# KiCad board Soft_Power_Switch_panelized.kicad_pcb (continued)
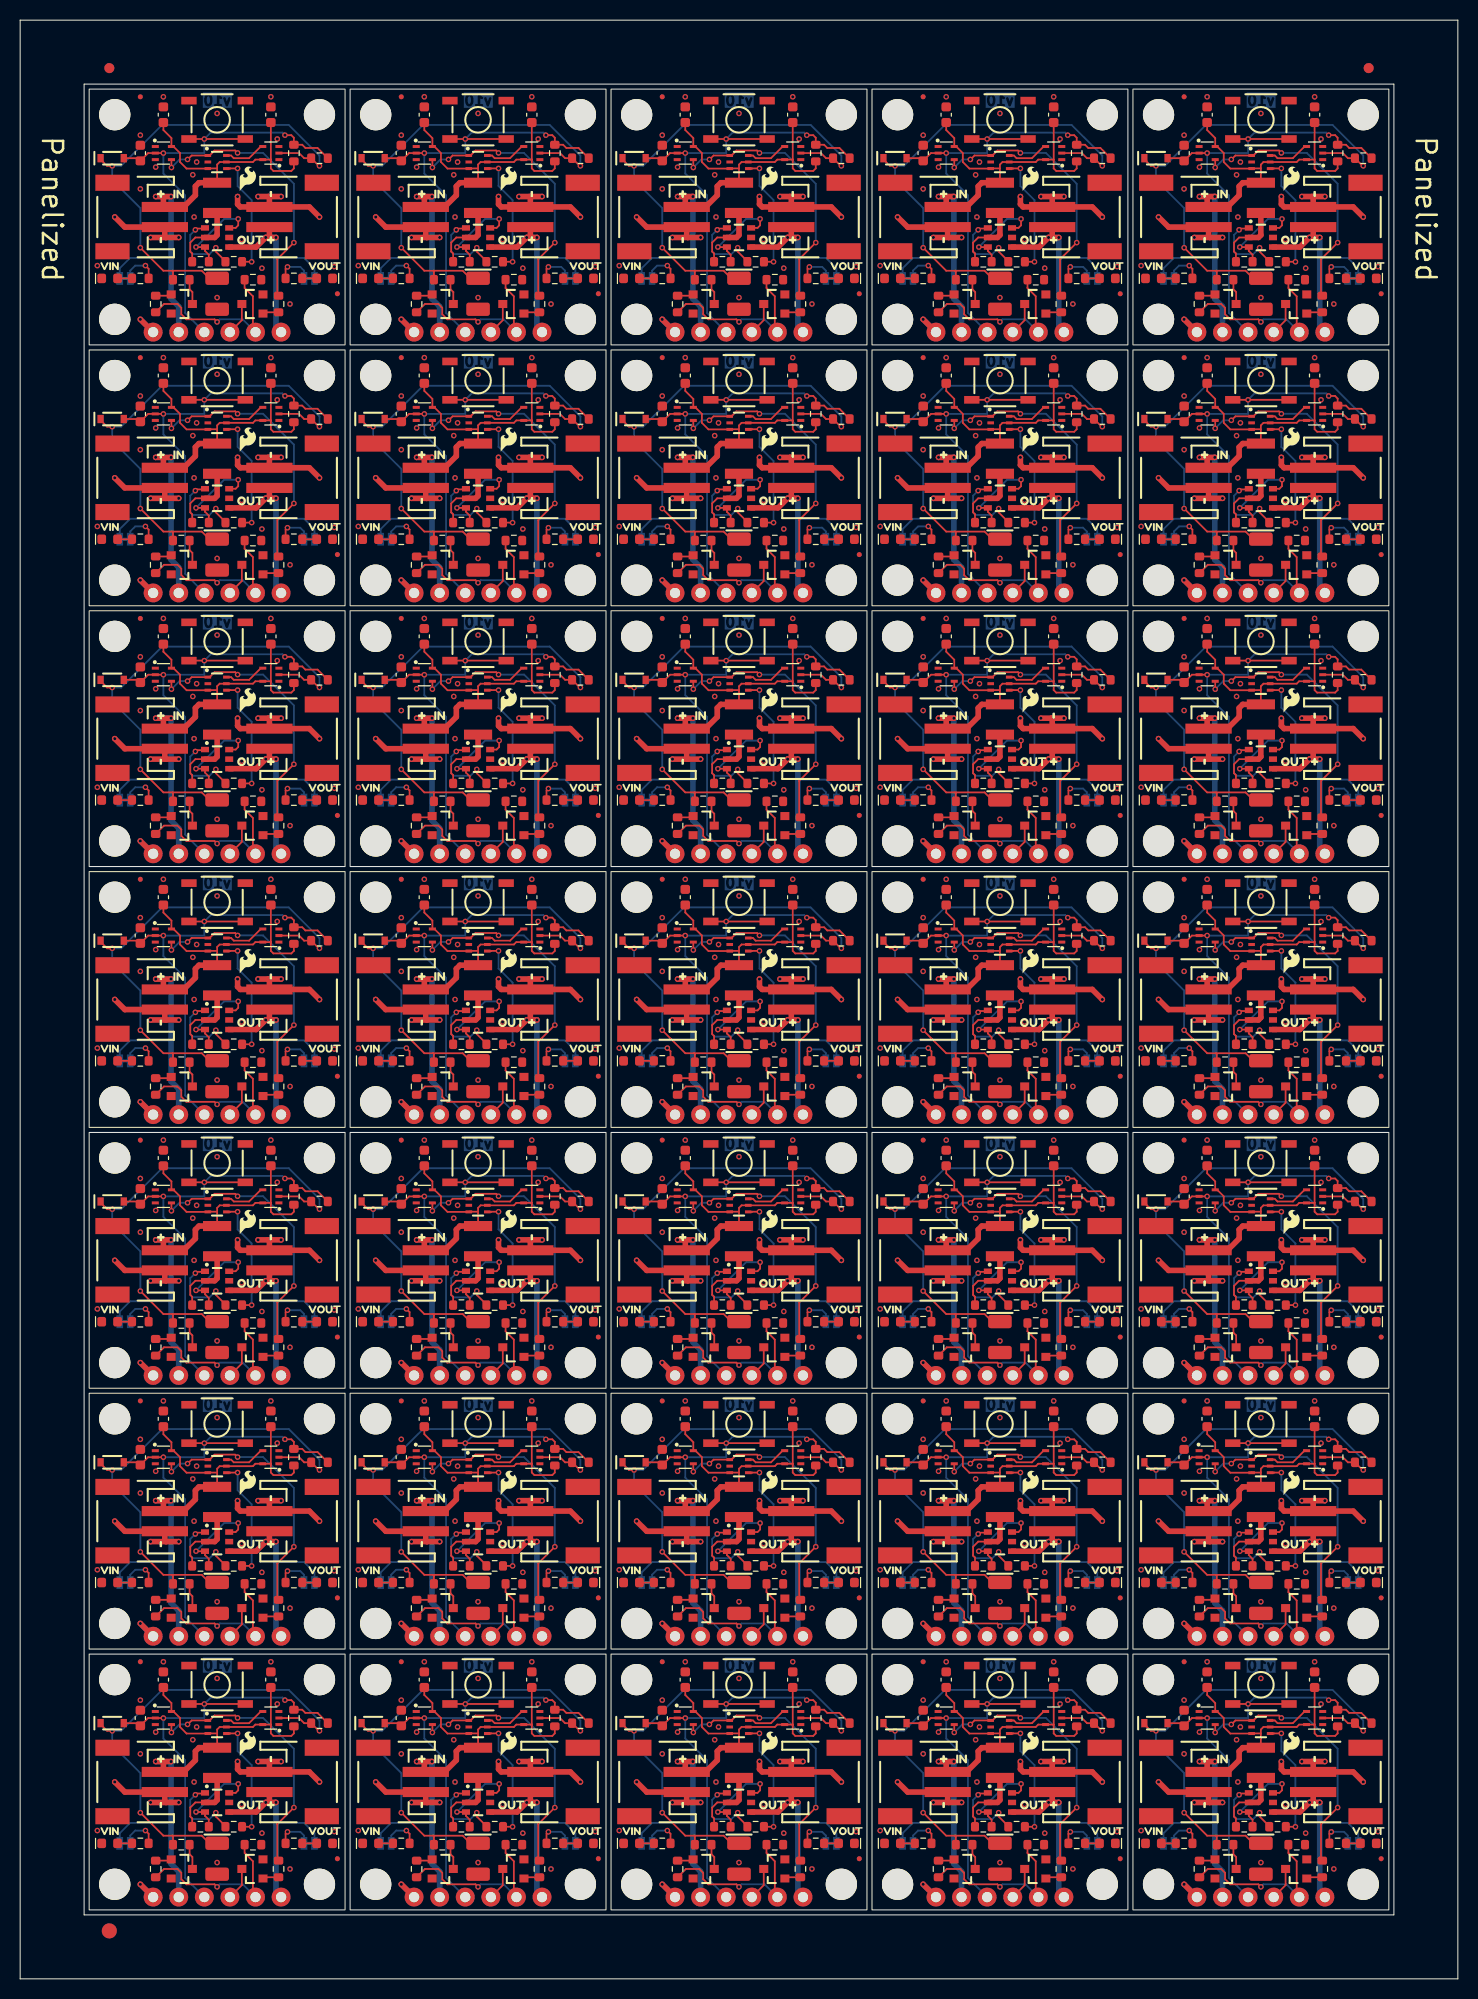
[diagram p0: board, top side]
## Placement (name value [footprint] x y rotation side) (continued)
kibuzzard-65F04FCA#68  G***  [kibuzzard-65F04FCA]  39.86 94.96 90 top
kibuzzard-65F04FCA#69  G***  [kibuzzard-65F04FCA]  76.68 177.24 90 top
kibuzzard-65F04FCA#70  G***  [kibuzzard-65F04FCA]  39.86 172.66 90 top
kibuzzard-65F053F1  G***  [kibuzzard-65F053F1]  45.45 152.86 180 bottom
kibuzzard-65F053F1#2  G***  [kibuzzard-65F053F1]  123.15 49.26 180 bottom
kibuzzard-65F053F1#3  G***  [kibuzzard-65F053F1]  71.35 178.76 180 bottom
kibuzzard-65F053F1#4  G***  [kibuzzard-65F053F1]  45.45 178.76 180 bottom
kibuzzard-65F053F1#5  G***  [kibuzzard-65F053F1]  19.55 23.36 180 bottom
kibuzzard-65F053F1#6  G***  [kibuzzard-65F053F1]  71.35 126.96 180 bottom
kibuzzard-65F053F1#7  G***  [kibuzzard-65F053F1]  97.25 49.26 180 bottom
kibuzzard-65F053F1#8  G***  [kibuzzard-65F053F1]  45.45 75.16 180 bottom
kibuzzard-65F053F1#9  G***  [kibuzzard-65F053F1]  123.15 178.76 180 bottom
kibuzzard-65F053F1#10  G***  [kibuzzard-65F053F1]  97.25 101.06 180 bottom
kibuzzard-65F053F1#11  G***  [kibuzzard-65F053F1]  45.45 49.26 180 bottom
kibuzzard-65F053F1#12  G***  [kibuzzard-65F053F1]  71.35 152.86 180 bottom
kibuzzard-65F053F1#13  G***  [kibuzzard-65F053F1]  97.25 178.76 180 bottom
kibuzzard-65F053F1#14  G***  [kibuzzard-65F053F1]  19.55 178.76 180 bottom
kibuzzard-65F053F1#15  G***  [kibuzzard-65F053F1]  19.55 75.16 180 bottom
kibuzzard-65F053F1#16  G***  [kibuzzard-65F053F1]  97.25 75.16 180 bottom
kibuzzard-65F053F1#17  G***  [kibuzzard-65F053F1]  97.25 152.86 180 bottom
kibuzzard-65F053F1#18  G***  [kibuzzard-65F053F1]  123.15 23.36 180 bottom
kibuzzard-65F053F1#19  G***  [kibuzzard-65F053F1]  97.25 23.36 180 bottom
kibuzzard-65F053F1#20  G***  [kibuzzard-65F053F1]  45.45 126.96 180 bottom
kibuzzard-65F053F1#21  G***  [kibuzzard-65F053F1]  123.15 152.86 180 bottom
kibuzzard-65F053F1#22  G***  [kibuzzard-65F053F1]  19.55 126.96 180 bottom
kibuzzard-65F053F1#23  G***  [kibuzzard-65F053F1]  71.35 101.06 180 bottom
kibuzzard-65F053F1#24  G***  [kibuzzard-65F053F1]  19.55 101.06 180 bottom
kibuzzard-65F053F1#25  G***  [kibuzzard-65F053F1]  123.15 75.16 180 bottom
kibuzzard-65F053F1#26  G***  [kibuzzard-65F053F1]  71.35 49.26 180 bottom
kibuzzard-65F053F1#27  G***  [kibuzzard-65F053F1]  71.35 75.16 180 bottom
kibuzzard-65F053F1#28  G***  [kibuzzard-65F053F1]  19.55 152.86 180 bottom
kibuzzard-65F053F1#29  G***  [kibuzzard-65F053F1]  71.35 23.36 180 bottom
kibuzzard-65F053F1#30  G***  [kibuzzard-65F053F1]  123.15 126.96 180 bottom
kibuzzard-65F053F1#31  G***  [kibuzzard-65F053F1]  123.15 101.06 180 bottom
kibuzzard-65F053F1#32  G***  [kibuzzard-65F053F1]  97.25 126.96 180 bottom
kibuzzard-65F053F1#33  G***  [kibuzzard-65F053F1]  45.45 23.36 180 bottom
kibuzzard-65F053F1#34  G***  [kibuzzard-65F053F1]  19.55 49.26 180 bottom
kibuzzard-65F053F1#35  G***  [kibuzzard-65F053F1]  45.45 101.06 180 bottom
kibuzzard-65F054C3  G***  [kibuzzard-65F054C3]  132.29 118.7 180 bottom
kibuzzard-65F054C3#2  G***  [kibuzzard-65F054C3]  114.01 170.5 180 bottom
kibuzzard-65F054C3#3  G***  [kibuzzard-65F054C3]  62.21 41 180 bottom
kibuzzard-65F054C3#4  G***  [kibuzzard-65F054C3]  10.41 170.5 180 bottom
kibuzzard-65F054C3#5  G***  [kibuzzard-65F054C3]  54.59 66.91 180 bottom
kibuzzard-65F054C3#6  G***  [kibuzzard-65F054C3]  36.31 41 180 bottom
kibuzzard-65F054C3#7  G***  [kibuzzard-65F054C3]  88.11 41 180 bottom
kibuzzard-65F054C3#8  G***  [kibuzzard-65F054C3]  80.49 92.81 180 bottom
kibuzzard-65F054C3#9  G***  [kibuzzard-65F054C3]  54.59 118.7 180 bottom
kibuzzard-65F054C3#10  G***  [kibuzzard-65F054C3]  62.21 92.81 180 bottom
kibuzzard-65F054C3#11  G***  [kibuzzard-65F054C3]  132.29 41 180 bottom
kibuzzard-65F054C3#12  G***  [kibuzzard-65F054C3]  132.29 144.6 180 bottom
kibuzzard-65F054C3#13  G***  [kibuzzard-65F054C3]  36.31 144.6 180 bottom
kibuzzard-65F054C3#14  G***  [kibuzzard-65F054C3]  114.01 92.81 180 bottom
kibuzzard-65F054C3#15  G***  [kibuzzard-65F054C3]  88.11 15.11 180 bottom
kibuzzard-65F054C3#16  G***  [kibuzzard-65F054C3]  36.31 15.11 180 bottom
kibuzzard-65F054C3#17  G***  [kibuzzard-65F054C3]  10.41 66.91 180 bottom
kibuzzard-65F054C3#18  G***  [kibuzzard-65F054C3]  106.39 15.11 180 bottom
kibuzzard-65F054C3#19  G***  [kibuzzard-65F054C3]  28.69 15.11 180 bottom
kibuzzard-65F054C3#20  G***  [kibuzzard-65F054C3]  114.01 41 180 bottom
kibuzzard-65F054C3#21  G***  [kibuzzard-65F054C3]  106.39 66.91 180 bottom
kibuzzard-65F054C3#22  G***  [kibuzzard-65F054C3]  88.11 144.6 180 bottom
kibuzzard-65F054C3#23  G***  [kibuzzard-65F054C3]  62.21 144.6 180 bottom
kibuzzard-65F054C3#24  G***  [kibuzzard-65F054C3]  132.29 66.91 180 bottom
kibuzzard-65F054C3#25  G***  [kibuzzard-65F054C3]  88.11 170.5 180 bottom
kibuzzard-65F054C3#26  G***  [kibuzzard-65F054C3]  10.41 144.6 180 bottom
kibuzzard-65F054C3#27  G***  [kibuzzard-65F054C3]  62.21 118.7 180 bottom
kibuzzard-65F054C3#28  G***  [kibuzzard-65F054C3]  106.39 144.6 180 bottom
kibuzzard-65F054C3#29  G***  [kibuzzard-65F054C3]  88.11 66.91 180 bottom
kibuzzard-65F054C3#30  G***  [kibuzzard-65F054C3]  36.31 92.81 180 bottom
kibuzzard-65F054C3#31  G***  [kibuzzard-65F054C3]  28.69 118.7 180 bottom
kibuzzard-65F054C3#32  G***  [kibuzzard-65F054C3]  114.01 118.7 180 bottom
kibuzzard-65F054C3#33  G***  [kibuzzard-65F054C3]  28.69 41 180 bottom
kibuzzard-65F054C3#34  G***  [kibuzzard-65F054C3]  54.59 92.81 180 bottom
kibuzzard-65F054C3#35  G***  [kibuzzard-65F054C3]  80.49 41 180 bottom
kibuzzard-65F054C3#36  G***  [kibuzzard-65F054C3]  114.01 15.11 180 bottom
kibuzzard-65F054C3#37  G***  [kibuzzard-65F054C3]  36.31 170.5 180 bottom
kibuzzard-65F054C3#38  G***  [kibuzzard-65F054C3]  88.11 118.7 180 bottom
kibuzzard-65F054C3#39  G***  [kibuzzard-65F054C3]  80.49 15.11 180 bottom
kibuzzard-65F054C3#40  G***  [kibuzzard-65F054C3]  28.69 66.91 180 bottom
kibuzzard-65F054C3#41  G***  [kibuzzard-65F054C3]  106.39 170.5 180 bottom
kibuzzard-65F054C3#42  G***  [kibuzzard-65F054C3]  36.31 66.91 180 bottom
kibuzzard-65F054C3#43  G***  [kibuzzard-65F054C3]  54.59 144.6 180 bottom
kibuzzard-65F054C3#44  G***  [kibuzzard-65F054C3]  54.59 41 180 bottom
kibuzzard-65F054C3#45  G***  [kibuzzard-65F054C3]  54.59 170.5 180 bottom
kibuzzard-65F054C3#46  G***  [kibuzzard-65F054C3]  10.41 118.7 180 bottom
kibuzzard-65F054C3#47  G***  [kibuzzard-65F054C3]  88.11 92.81 180 bottom
kibuzzard-65F054C3#48  G***  [kibuzzard-65F054C3]  80.49 66.91 180 bottom
kibuzzard-65F054C3#49  G***  [kibuzzard-65F054C3]  106.39 118.7 180 bottom
kibuzzard-65F054C3#50  G***  [kibuzzard-65F054C3]  28.69 144.6 180 bottom
kibuzzard-65F054C3#51  G***  [kibuzzard-65F054C3]  62.21 170.5 180 bottom
kibuzzard-65F054C3#52  G***  [kibuzzard-65F054C3]  132.29 170.5 180 bottom
kibuzzard-65F054C3#53  G***  [kibuzzard-65F054C3]  62.21 15.11 180 bottom
kibuzzard-65F054C3#54  G***  [kibuzzard-65F054C3]  114.01 144.6 180 bottom
kibuzzard-65F054C3#55  G***  [kibuzzard-65F054C3]  28.69 92.81 180 bottom
kibuzzard-65F054C3#56  G***  [kibuzzard-65F054C3]  106.39 41 180 bottom
kibuzzard-65F054C3#57  G***  [kibuzzard-65F054C3]  36.31 118.7 180 bottom
kibuzzard-65F054C3#58  G***  [kibuzzard-65F054C3]  80.49 118.7 180 bottom
kibuzzard-65F054C3#59  G***  [kibuzzard-65F054C3]  54.59 15.11 180 bottom
kibuzzard-65F054C3#60  G***  [kibuzzard-65F054C3]  10.41 41 180 bottom
kibuzzard-65F054C3#61  G***  [kibuzzard-65F054C3]  132.29 92.81 180 bottom
kibuzzard-65F054C3#62  G***  [kibuzzard-65F054C3]  10.41 92.81 180 bottom
kibuzzard-65F054C3#63  G***  [kibuzzard-65F054C3]  132.29 15.11 180 bottom
kibuzzard-65F054C3#64  G***  [kibuzzard-65F054C3]  80.49 144.6 180 bottom
kibuzzard-65F054C3#65  G***  [kibuzzard-65F054C3]  114.01 66.91 180 bottom
kibuzzard-65F054C3#66  G***  [kibuzzard-65F054C3]  106.39 92.81 180 bottom
kibuzzard-65F054C3#67  G***  [kibuzzard-65F054C3]  80.49 170.5 180 bottom
kibuzzard-65F054C3#68  G***  [kibuzzard-65F054C3]  10.41 15.11 180 bottom
kibuzzard-65F054C3#69  G***  [kibuzzard-65F054C3]  28.69 170.5 180 bottom
kibuzzard-65F054C3#70  G***  [kibuzzard-65F054C3]  62.21 66.91 180 bottom
kibuzzard-65F056B4  G***  [kibuzzard-65F056B4]  46.72 37.2 90 bottom
kibuzzard-65F056B4#2  G***  [kibuzzard-65F056B4]  72.62 166.69 90 bottom
kibuzzard-65F056B4#3  G***  [kibuzzard-65F056B4]  98.52 166.69 90 bottom
kibuzzard-65F056B4#4  G***  [kibuzzard-65F056B4]  124.42 140.8 90 bottom
kibuzzard-65F056B4#5  G***  [kibuzzard-65F056B4]  46.72 140.8 90 bottom
kibuzzard-65F056B4#6  G***  [kibuzzard-65F056B4]  20.82 140.8 90 bottom
kibuzzard-65F056B4#7  G***  [kibuzzard-65F056B4]  72.62 140.8 90 bottom
kibuzzard-65F056B4#8  G***  [kibuzzard-65F056B4]  46.72 166.69 90 bottom
kibuzzard-65F056B4#9  G***  [kibuzzard-65F056B4]  46.72 11.3 90 bottom
kibuzzard-65F056B4#10  G***  [kibuzzard-65F056B4]  72.62 63.09 90 bottom
kibuzzard-65F056B4#11  G***  [kibuzzard-65F056B4]  46.72 114.9 90 bottom
kibuzzard-65F056B4#12  G***  [kibuzzard-65F056B4]  20.82 37.2 90 bottom
kibuzzard-65F056B4#13  G***  [kibuzzard-65F056B4]  20.82 63.09 90 bottom
kibuzzard-65F056B4#14  G***  [kibuzzard-65F056B4]  124.42 63.09 90 bottom
kibuzzard-65F056B4#15  G***  [kibuzzard-65F056B4]  124.42 37.2 90 bottom
kibuzzard-65F056B4#16  G***  [kibuzzard-65F056B4]  20.82 114.9 90 bottom
kibuzzard-65F056B4#17  G***  [kibuzzard-65F056B4]  98.52 37.2 90 bottom
kibuzzard-65F056B4#18  G***  [kibuzzard-65F056B4]  98.52 63.09 90 bottom
kibuzzard-65F056B4#19  G***  [kibuzzard-65F056B4]  98.52 114.9 90 bottom
kibuzzard-65F056B4#20  G***  [kibuzzard-65F056B4]  124.42 89 90 bottom
kibuzzard-65F056B4#21  G***  [kibuzzard-65F056B4]  72.62 114.9 90 bottom
kibuzzard-65F056B4#22  G***  [kibuzzard-65F056B4]  20.82 166.69 90 bottom
kibuzzard-65F056B4#23  G***  [kibuzzard-65F056B4]  98.52 140.8 90 bottom
kibuzzard-65F056B4#24  G***  [kibuzzard-65F056B4]  124.42 114.9 90 bottom
kibuzzard-65F056B4#25  G***  [kibuzzard-65F056B4]  72.62 11.3 90 bottom
kibuzzard-65F056B4#26  G***  [kibuzzard-65F056B4]  124.42 11.3 90 bottom
kibuzzard-65F056B4#27  G***  [kibuzzard-65F056B4]  46.72 89 90 bottom
kibuzzard-65F056B4#28  G***  [kibuzzard-65F056B4]  72.62 37.2 90 bottom
kibuzzard-65F056B4#29  G***  [kibuzzard-65F056B4]  124.42 166.69 90 bottom
kibuzzard-65F056B4#30  G***  [kibuzzard-65F056B4]  46.72 63.09 90 bottom
kibuzzard-65F056B4#31  G***  [kibuzzard-65F056B4]  98.52 11.3 90 bottom
kibuzzard-65F056B4#32  G***  [kibuzzard-65F056B4]  20.82 89 90 bottom
kibuzzard-65F056B4#33  G***  [kibuzzard-65F056B4]  98.52 89 90 bottom
kibuzzard-65F056B4#34  G***  [kibuzzard-65F056B4]  20.82 11.3 90 bottom
kibuzzard-65F056B4#35  G***  [kibuzzard-65F056B4]  72.62 89 90 bottom
kibuzzard-65F056D8  G***  [kibuzzard-65F056D8]  49.26 166.31 90 bottom
kibuzzard-65F056D8#2  G***  [kibuzzard-65F056D8]  101.06 140.41 90 bottom
kibuzzard-65F056D8#3  G***  [kibuzzard-65F056D8]  75.16 36.81 90 bottom
kibuzzard-65F056D8#4  G***  [kibuzzard-65F056D8]  75.16 140.41 90 bottom
kibuzzard-65F056D8#5  G***  [kibuzzard-65F056D8]  49.26 10.91 90 bottom
kibuzzard-65F056D8#6  G***  [kibuzzard-65F056D8]  101.06 88.61 90 bottom
kibuzzard-65F056D8#7  G***  [kibuzzard-65F056D8]  126.96 114.51 90 bottom
kibuzzard-65F056D8#8  G***  [kibuzzard-65F056D8]  126.96 88.61 90 bottom
kibuzzard-65F056D8#9  G***  [kibuzzard-65F056D8]  23.36 114.51 90 bottom
kibuzzard-65F056D8#10  G***  [kibuzzard-65F056D8]  126.96 36.81 90 bottom
kibuzzard-65F056D8#11  G***  [kibuzzard-65F056D8]  23.36 166.31 90 bottom
kibuzzard-65F056D8#12  G***  [kibuzzard-65F056D8]  126.96 166.31 90 bottom
kibuzzard-65F056D8#13  G***  [kibuzzard-65F056D8]  126.96 140.41 90 bottom
kibuzzard-65F056D8#14  G***  [kibuzzard-65F056D8]  49.26 88.61 90 bottom
kibuzzard-65F056D8#15  G***  [kibuzzard-65F056D8]  101.06 62.71 90 bottom
kibuzzard-65F056D8#16  G***  [kibuzzard-65F056D8]  101.06 114.51 90 bottom
kibuzzard-65F056D8#17  G***  [kibuzzard-65F056D8]  49.26 62.71 90 bottom
kibuzzard-65F056D8#18  G***  [kibuzzard-65F056D8]  23.36 10.91 90 bottom
kibuzzard-65F056D8#19  G***  [kibuzzard-65F056D8]  49.26 114.51 90 bottom
kibuzzard-65F056D8#20  G***  [kibuzzard-65F056D8]  49.26 140.41 90 bottom
kibuzzard-65F056D8#21  G***  [kibuzzard-65F056D8]  101.06 166.31 90 bottom
kibuzzard-65F056D8#22  G***  [kibuzzard-65F056D8]  75.16 10.91 90 bottom
kibuzzard-65F056D8#23  G***  [kibuzzard-65F056D8]  101.06 36.81 90 bottom
kibuzzard-65F056D8#24  G***  [kibuzzard-65F056D8]  23.36 88.61 90 bottom
kibuzzard-65F056D8#25  G***  [kibuzzard-65F056D8]  23.36 140.41 90 bottom
kibuzzard-65F056D8#26  G***  [kibuzzard-65F056D8]  75.16 114.51 90 bottom
kibuzzard-65F056D8#27  G***  [kibuzzard-65F056D8]  75.16 62.71 90 bottom
kibuzzard-65F056D8#28  G***  [kibuzzard-65F056D8]  126.96 10.91 90 bottom
kibuzzard-65F056D8#29  G***  [kibuzzard-65F056D8]  75.16 88.61 90 bottom
kibuzzard-65F056D8#30  G***  [kibuzzard-65F056D8]  75.16 166.31 90 bottom
kibuzzard-65F056D8#31  G***  [kibuzzard-65F056D8]  23.36 36.81 90 bottom
kibuzzard-65F056D8#32  G***  [kibuzzard-65F056D8]  101.06 10.91 90 bottom
kibuzzard-65F056D8#33  G***  [kibuzzard-65F056D8]  126.96 62.71 90 bottom
kibuzzard-65F056D8#34  G***  [kibuzzard-65F056D8]  23.36 62.71 90 bottom
kibuzzard-65F056D8#35  G***  [kibuzzard-65F056D8]  49.26 36.81 90 bottom
kibuzzard-65F056F7  G***  [kibuzzard-65F056F7]  129.5 115.15 90 bottom
kibuzzard-65F056F7#2  G***  [kibuzzard-65F056F7]  103.6 166.95 90 bottom
kibuzzard-65F056F7#3  G***  [kibuzzard-65F056F7]  129.5 166.95 90 bottom
kibuzzard-65F056F7#4  G***  [kibuzzard-65F056F7]  25.9 166.95 90 bottom
kibuzzard-65F056F7#5  G***  [kibuzzard-65F056F7]  51.8 63.35 90 bottom
kibuzzard-65F056F7#6  G***  [kibuzzard-65F056F7]  51.8 166.95 90 bottom
kibuzzard-65F056F7#7  G***  [kibuzzard-65F056F7]  25.9 11.55 90 bottom
kibuzzard-65F056F7#8  G***  [kibuzzard-65F056F7]  51.8 115.15 90 bottom
kibuzzard-65F056F7#9  G***  [kibuzzard-65F056F7]  103.6 115.15 90 bottom
kibuzzard-65F056F7#10  G***  [kibuzzard-65F056F7]  103.6 11.55 90 bottom
kibuzzard-65F056F7#11  G***  [kibuzzard-65F056F7]  77.7 63.35 90 bottom
kibuzzard-65F056F7#12  G***  [kibuzzard-65F056F7]  129.5 11.55 90 bottom
kibuzzard-65F056F7#13  G***  [kibuzzard-65F056F7]  25.9 141.05 90 bottom
kibuzzard-65F056F7#14  G***  [kibuzzard-65F056F7]  103.6 141.05 90 bottom
kibuzzard-65F056F7#15  G***  [kibuzzard-65F056F7]  77.7 37.45 90 bottom
kibuzzard-65F056F7#16  G***  [kibuzzard-65F056F7]  77.7 89.25 90 bottom
kibuzzard-65F056F7#17  G***  [kibuzzard-65F056F7]  51.8 11.55 90 bottom
kibuzzard-65F056F7#18  G***  [kibuzzard-65F056F7]  51.8 37.45 90 bottom
kibuzzard-65F056F7#19  G***  [kibuzzard-65F056F7]  51.8 141.05 90 bottom
kibuzzard-65F056F7#20  G***  [kibuzzard-65F056F7]  129.5 141.05 90 bottom
kibuzzard-65F056F7#21  G***  [kibuzzard-65F056F7]  103.6 63.35 90 bottom
kibuzzard-65F056F7#22  G***  [kibuzzard-65F056F7]  77.7 11.55 90 bottom
kibuzzard-65F056F7#23  G***  [kibuzzard-65F056F7]  129.5 63.35 90 bottom
kibuzzard-65F056F7#24  G***  [kibuzzard-65F056F7]  25.9 115.15 90 bottom
kibuzzard-65F056F7#25  G***  [kibuzzard-65F056F7]  25.9 63.35 90 bottom
kibuzzard-65F056F7#26  G***  [kibuzzard-65F056F7]  129.5 89.25 90 bottom
kibuzzard-65F056F7#27  G***  [kibuzzard-65F056F7]  25.9 89.25 90 bottom
kibuzzard-65F056F7#28  G***  [kibuzzard-65F056F7]  77.7 141.05 90 bottom
kibuzzard-65F056F7#29  G***  [kibuzzard-65F056F7]  129.5 37.45 90 bottom
kibuzzard-65F056F7#30  G***  [kibuzzard-65F056F7]  103.6 37.45 90 bottom
kibuzzard-65F056F7#31  G***  [kibuzzard-65F056F7]  103.6 89.25 90 bottom
kibuzzard-65F056F7#32  G***  [kibuzzard-65F056F7]  25.9 37.45 90 bottom
kibuzzard-65F056F7#33  G***  [kibuzzard-65F056F7]  51.8 89.25 90 bottom
kibuzzard-65F056F7#34  G***  [kibuzzard-65F056F7]  77.7 115.15 90 bottom
kibuzzard-65F056F7#35  G***  [kibuzzard-65F056F7]  77.7 166.95 90 bottom
kibuzzard-65F174FD  G***  [kibuzzard-65F174FD]  126.45 69.06 0 top
kibuzzard-65F174FD#2  G***  [kibuzzard-65F174FD]  48.75 43.16 0 top
kibuzzard-65F174FD#3  G***  [kibuzzard-65F174FD]  100.55 17.26 0 top
kibuzzard-65F174FD#4  G***  [kibuzzard-65F174FD]  100.55 146.76 0 top
kibuzzard-65F174FD#5  G***  [kibuzzard-65F174FD]  100.55 94.96 0 top
kibuzzard-65F174FD#6  G***  [kibuzzard-65F174FD]  48.75 69.06 0 top
kibuzzard-65F174FD#7  G***  [kibuzzard-65F174FD]  74.65 120.86 0 top
kibuzzard-65F174FD#8  G***  [kibuzzard-65F174FD]  74.65 172.66 0 top
kibuzzard-65F174FD#9  G***  [kibuzzard-65F174FD]  48.75 146.76 0 top
kibuzzard-65F174FD#10  G***  [kibuzzard-65F174FD]  48.75 17.26 0 top
kibuzzard-65F174FD#11  G***  [kibuzzard-65F174FD]  22.85 172.66 0 top
kibuzzard-65F174FD#12  G***  [kibuzzard-65F174FD]  126.45 94.96 0 top
kibuzzard-65F174FD#13  G***  [kibuzzard-65F174FD]  22.85 43.16 0 top
kibuzzard-65F174FD#14  G***  [kibuzzard-65F174FD]  22.85 69.06 0 top
kibuzzard-65F174FD#15  G***  [kibuzzard-65F174FD]  100.55 69.06 0 top
kibuzzard-65F174FD#16  G***  [kibuzzard-65F174FD]  48.75 172.66 0 top
kibuzzard-65F174FD#17  G***  [kibuzzard-65F174FD]  126.45 120.86 0 top
kibuzzard-65F174FD#18  G***  [kibuzzard-65F174FD]  22.85 120.86 0 top
kibuzzard-65F174FD#19  G***  [kibuzzard-65F174FD]  74.65 146.76 0 top
kibuzzard-65F174FD#20  G***  [kibuzzard-65F174FD]  48.75 120.86 0 top
kibuzzard-65F174FD#21  G***  [kibuzzard-65F174FD]  126.45 172.66 0 top
kibuzzard-65F174FD#22  G***  [kibuzzard-65F174FD]  100.55 43.16 0 top
kibuzzard-65F174FD#23  G***  [kibuzzard-65F174FD]  126.45 17.26 0 top
kibuzzard-65F174FD#24  G***  [kibuzzard-65F174FD]  74.65 69.06 0 top
kibuzzard-65F174FD#25  G***  [kibuzzard-65F174FD]  74.65 94.96 0 top
kibuzzard-65F174FD#26  G***  [kibuzzard-65F174FD]  100.55 172.66 0 top
kibuzzard-65F174FD#27  G***  [kibuzzard-65F174FD]  22.85 146.76 0 top
kibuzzard-65F174FD#28  G***  [kibuzzard-65F174FD]  126.45 146.76 0 top
kibuzzard-65F174FD#29  G***  [kibuzzard-65F174FD]  22.85 94.96 0 top
kibuzzard-65F174FD#30  G***  [kibuzzard-65F174FD]  74.65 43.16 0 top
kibuzzard-65F174FD#31  G***  [kibuzzard-65F174FD]  126.45 43.16 0 top
kibuzzard-65F174FD#32  G***  [kibuzzard-65F174FD]  48.75 94.96 0 top
kibuzzard-65F174FD#33  G***  [kibuzzard-65F174FD]  74.65 17.26 0 top
kibuzzard-65F174FD#34  G***  [kibuzzard-65F174FD]  22.85 17.26 0 top
kibuzzard-65F174FD#35  G***  [kibuzzard-65F174FD]  100.55 120.86 0 top
kibuzzard-65F0543A  G***  [kibuzzard-65F0543A]  19.55 70.33 180 bottom
kibuzzard-65F0543A#2  G***  [kibuzzard-65F0543A]  97.25 44.43 180 bottom
kibuzzard-65F0543A#3  G***  [kibuzzard-65F0543A]  45.45 96.23 180 bottom
kibuzzard-65F0543A#4  G***  [kibuzzard-65F0543A]  19.55 44.43 180 bottom
kibuzzard-65F0543A#5  G***  [kibuzzard-65F0543A]  123.15 18.53 180 bottom
kibuzzard-65F0543A#6  G***  [kibuzzard-65F0543A]  71.35 70.33 180 bottom
kibuzzard-65F0543A#7  G***  [kibuzzard-65F0543A]  123.15 173.93 180 bottom
kibuzzard-65F0543A#8  G***  [kibuzzard-65F0543A]  19.55 173.93 180 bottom
kibuzzard-65F0543A#9  G***  [kibuzzard-65F0543A]  97.25 70.33 180 bottom
kibuzzard-65F0543A#10  G***  [kibuzzard-65F0543A]  123.15 70.33 180 bottom
kibuzzard-65F0543A#11  G***  [kibuzzard-65F0543A]  97.25 18.53 180 bottom
kibuzzard-65F0543A#12  G***  [kibuzzard-65F0543A]  97.25 122.13 180 bottom
kibuzzard-65F0543A#13  G***  [kibuzzard-65F0543A]  45.45 44.43 180 bottom
kibuzzard-65F0543A#14  G***  [kibuzzard-65F0543A]  123.15 44.43 180 bottom
kibuzzard-65F0543A#15  G***  [kibuzzard-65F0543A]  71.35 148.03 180 bottom
kibuzzard-65F0543A#16  G***  [kibuzzard-65F0543A]  71.35 173.93 180 bottom
kibuzzard-65F0543A#17  G***  [kibuzzard-65F0543A]  19.55 96.23 180 bottom
kibuzzard-65F0543A#18  G***  [kibuzzard-65F0543A]  45.45 148.03 180 bottom
kibuzzard-65F0543A#19  G***  [kibuzzard-65F0543A]  97.25 148.03 180 bottom
kibuzzard-65F0543A#20  G***  [kibuzzard-65F0543A]  123.15 122.13 180 bottom
kibuzzard-65F0543A#21  G***  [kibuzzard-65F0543A]  45.45 18.53 180 bottom
kibuzzard-65F0543A#22  G***  [kibuzzard-65F0543A]  71.35 96.23 180 bottom
kibuzzard-65F0543A#23  G***  [kibuzzard-65F0543A]  123.15 96.23 180 bottom
kibuzzard-65F0543A#24  G***  [kibuzzard-65F0543A]  97.25 173.93 180 bottom
kibuzzard-65F0543A#25  G***  [kibuzzard-65F0543A]  45.45 70.33 180 bottom
kibuzzard-65F0543A#26  G***  [kibuzzard-65F0543A]  123.15 148.03 180 bottom
kibuzzard-65F0543A#27  G***  [kibuzzard-65F0543A]  45.45 173.93 180 bottom
kibuzzard-65F0543A#28  G***  [kibuzzard-65F0543A]  19.55 122.13 180 bottom
kibuzzard-65F0543A#29  G***  [kibuzzard-65F0543A]  45.45 122.13 180 bottom
kibuzzard-65F0543A#30  G***  [kibuzzard-65F0543A]  71.35 18.53 180 bottom
kibuzzard-65F0543A#31  G***  [kibuzzard-65F0543A]  71.35 44.43 180 bottom
kibuzzard-65F0543A#32  G***  [kibuzzard-65F0543A]  19.55 18.53 180 bottom
kibuzzard-65F0543A#33  G***  [kibuzzard-65F0543A]  71.35 122.13 180 bottom
kibuzzard-65F0543A#34  G***  [kibuzzard-65F0543A]  19.55 148.03 180 bottom
kibuzzard-65F0543A#35  G***  [kibuzzard-65F0543A]  97.25 96.23 180 bottom
kibuzzard-65F0634B  G***  [kibuzzard-65F0634B]  60.68 118.27 0 top
kibuzzard-65F0634B#2  G***  [kibuzzard-65F0634B]  60.68 170.07 0 top
kibuzzard-65F0634B#3  G***  [kibuzzard-65F0634B]  86.58 170.07 0 top
kibuzzard-65F0634B#4  G***  [kibuzzard-65F0634B]  86.58 144.17 0 top
kibuzzard-65F0634B#5  G***  [kibuzzard-65F0634B]  86.58 118.27 0 top
kibuzzard-65F0634B#6  G***  [kibuzzard-65F0634B]  112.48 118.27 0 top
kibuzzard-65F0634B#7  G***  [kibuzzard-65F0634B]  86.58 14.67 0 top
kibuzzard-65F0634B#8  G***  [kibuzzard-65F0634B]  34.78 14.67 0 top
kibuzzard-65F0634B#9  G***  [kibuzzard-65F0634B]  60.68 144.17 0 top
kibuzzard-65F0634B#10  G***  [kibuzzard-65F0634B]  34.78 118.27 0 top
kibuzzard-65F0634B#11  G***  [kibuzzard-65F0634B]  60.68 92.37 0 top
kibuzzard-65F0634B#12  G***  [kibuzzard-65F0634B]  8.88 40.57 0 top
kibuzzard-65F0634B#13  G***  [kibuzzard-65F0634B]  60.68 14.67 0 top
kibuzzard-65F0634B#14  G***  [kibuzzard-65F0634B]  34.78 170.07 0 top
kibuzzard-65F0634B#15  G***  [kibuzzard-65F0634B]  34.78 40.57 0 top
kibuzzard-65F0634B#16  G***  [kibuzzard-65F0634B]  112.48 14.67 0 top
kibuzzard-65F0634B#17  G***  [kibuzzard-65F0634B]  8.88 66.47 0 top
kibuzzard-65F0634B#18  G***  [kibuzzard-65F0634B]  60.68 40.57 0 top
kibuzzard-65F0634B#19  G***  [kibuzzard-65F0634B]  60.68 66.47 0 top
kibuzzard-65F0634B#20  G***  [kibuzzard-65F0634B]  86.58 92.37 0 top
kibuzzard-65F0634B#21  G***  [kibuzzard-65F0634B]  8.88 118.27 0 top
kibuzzard-65F0634B#22  G***  [kibuzzard-65F0634B]  112.48 40.57 0 top
kibuzzard-65F0634B#23  G***  [kibuzzard-65F0634B]  8.88 170.07 0 top
kibuzzard-65F0634B#24  G***  [kibuzzard-65F0634B]  112.48 66.47 0 top
kibuzzard-65F0634B#25  G***  [kibuzzard-65F0634B]  112.48 92.37 0 top
kibuzzard-65F0634B#26  G***  [kibuzzard-65F0634B]  34.78 66.47 0 top
kibuzzard-65F0634B#27  G***  [kibuzzard-65F0634B]  34.78 144.17 0 top
kibuzzard-65F0634B#28  G***  [kibuzzard-65F0634B]  8.88 14.67 0 top
kibuzzard-65F0634B#29  G***  [kibuzzard-65F0634B]  112.48 144.17 0 top
kibuzzard-65F0634B#30  G***  [kibuzzard-65F0634B]  8.88 144.17 0 top
kibuzzard-65F0634B#31  G***  [kibuzzard-65F0634B]  34.78 92.37 0 top
kibuzzard-65F0634B#32  G***  [kibuzzard-65F0634B]  112.48 170.07 0 top
kibuzzard-65F0634B#33  G***  [kibuzzard-65F0634B]  86.58 66.47 0 top
kibuzzard-65F0634B#34  G***  [kibuzzard-65F0634B]  86.58 40.57 0 top
kibuzzard-65F0634B#35  G***  [kibuzzard-65F0634B]  8.88 92.37 0 top
kibuzzard-65F0636B  G***  [kibuzzard-65F0636B]  56.12 144.17 0 top
kibuzzard-65F0636B#2  G***  [kibuzzard-65F0636B]  82.02 66.47 0 top
kibuzzard-65F0636B#3  G***  [kibuzzard-65F0636B]  82.02 170.07 0 top
kibuzzard-65F0636B#4  G***  [kibuzzard-65F0636B]  133.82 40.57 0 top
kibuzzard-65F0636B#5  G***  [kibuzzard-65F0636B]  30.22 170.07 0 top
kibuzzard-65F0636B#6  G***  [kibuzzard-65F0636B]  30.22 92.37 0 top
kibuzzard-65F0636B#7  G***  [kibuzzard-65F0636B]  56.12 14.67 0 top
kibuzzard-65F0636B#8  G***  [kibuzzard-65F0636B]  107.92 144.17 0 top
kibuzzard-65F0636B#9  G***  [kibuzzard-65F0636B]  30.22 118.27 0 top
kibuzzard-65F0636B#10  G***  [kibuzzard-65F0636B]  107.92 14.67 0 top
kibuzzard-65F0636B#11  G***  [kibuzzard-65F0636B]  56.12 92.37 0 top
kibuzzard-65F0636B#12  G***  [kibuzzard-65F0636B]  30.22 144.17 0 top
kibuzzard-65F0636B#13  G***  [kibuzzard-65F0636B]  56.12 170.07 0 top
kibuzzard-65F0636B#14  G***  [kibuzzard-65F0636B]  133.82 118.27 0 top
kibuzzard-65F0636B#15  G***  [kibuzzard-65F0636B]  107.92 66.47 0 top
kibuzzard-65F0636B#16  G***  [kibuzzard-65F0636B]  56.12 40.57 0 top
kibuzzard-65F0636B#17  G***  [kibuzzard-65F0636B]  82.02 40.57 0 top
kibuzzard-65F0636B#18  G***  [kibuzzard-65F0636B]  107.92 92.37 0 top
kibuzzard-65F0636B#19  G***  [kibuzzard-65F0636B]  82.02 92.37 0 top
kibuzzard-65F0636B#20  G***  [kibuzzard-65F0636B]  30.22 66.47 0 top
kibuzzard-65F0636B#21  G***  [kibuzzard-65F0636B]  107.92 40.57 0 top
kibuzzard-65F0636B#22  G***  [kibuzzard-65F0636B]  107.92 118.27 0 top
kibuzzard-65F0636B#23  G***  [kibuzzard-65F0636B]  107.92 170.07 0 top
kibuzzard-65F0636B#24  G***  [kibuzzard-65F0636B]  30.22 40.57 0 top
kibuzzard-65F0636B#25  G***  [kibuzzard-65F0636B]  56.12 66.47 0 top
kibuzzard-65F0636B#26  G***  [kibuzzard-65F0636B]  133.82 66.47 0 top